# Altium PCB 2-quilter-output.pcbdoc (part 11 of 17) (continued)
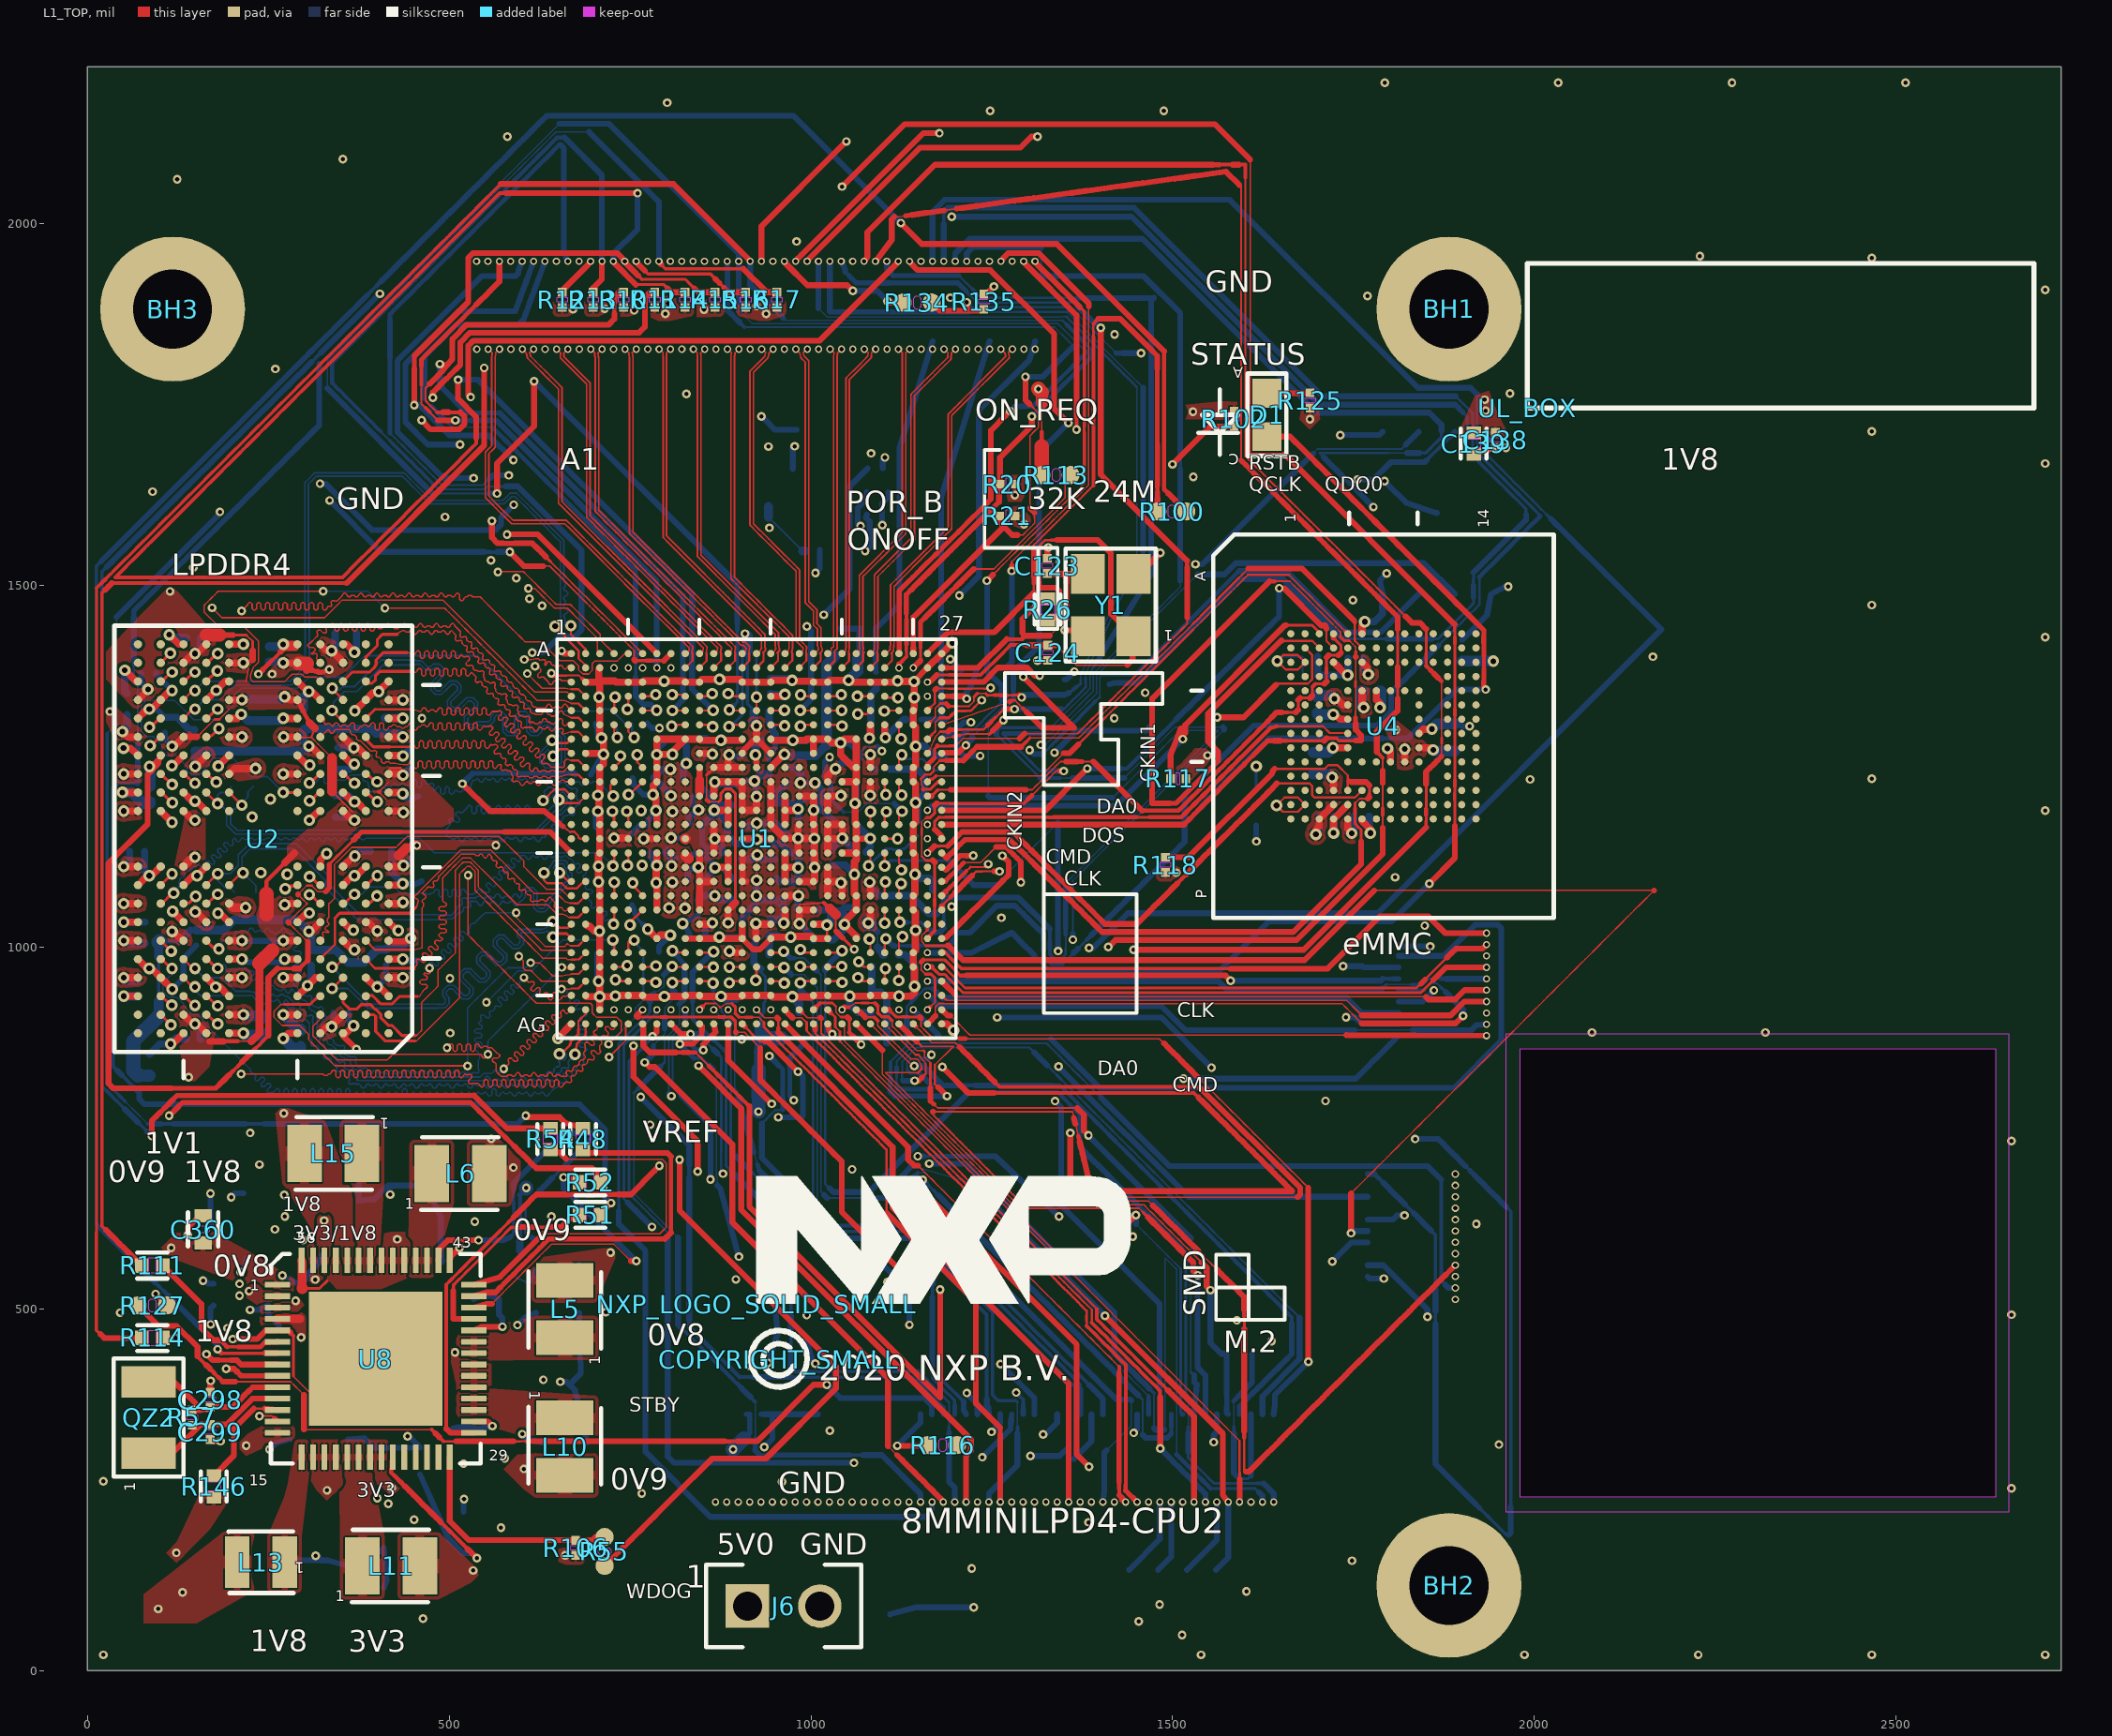
[diagram p0: L1_TOP view]
## Nets (pads, with @x,y where several pads share a name; then routed paths per layer and width w, separated by ;. In a path a pad name is that pad's centre, name@x,y a point inside that pad or via, vN(x,y) a via of type N, cw(c..) or ccw(c..) an arc to the next point about the centre after c; other vN are vias at no path point) (continued)
  L3_INNER1 w8.05: v1(237.82,352.18) 842.92,352.18 851.89,361.16 ; 905.2,887.15 905.2,908.66 v3(905.21,913.68) ; 917.67,874.67 923.91,868.43 930.15,862.19 936.39,855.95 v1(942.63,849.72) ; 924.7,708.16 932.85,708.16 v1(984.96,656.05)
  L8_BOT w2.79: 944.6,768.79 950.8,774.99 956.05,774.99 961.07,774.99
  L8_BOT w3.37: 932.21,756.4 938.41,762.59 944.6,768.79
  L8_BOT w6.29: 955.08,837.26 961.31,831.03 961.31,823.03 961.31,815.02 961.31,807.02 961.31,799.01 961.31,791.01 ; 961.07,774.99 961.31,775.22 961.31,783
  L8_BOT w6.88: 961.31,783 961.31,791.01
  L8_BOT w8.05: 932.21,756.4 932.21,708.8 v1(984.96,656.05) ; v1(942.63,849.72) 948.86,843.49 955.08,837.26
PMIC_ON_REQ: J4.48 R51.1 U1.A24 | length 3868.4
  L1_TOP w6.88: 1122,1415.64 1122,1424.16 1122,1432.67 1122,1441.19 1122,1449.71 1122,1458.23 1122,1466.75 1122,1475.26 1122,1483.78 1122,1492.3 1128.35,1498.64 1134.69,1504.98 1141.03,1511.33 1147.37,1517.67 1153.71,1524.01 1160.05,1530.35 1166.4,1536.69 1172.74,1543.03 1179.08,1549.37 1185.42,1555.72 1191.76,1562.06 1198.1,1568.4 1204.44,1574.74 1210.79,1581.08 1217.13,1587.42 1223.47,1593.76 1229.81,1600.11 1236.15,1606.45 1242.49,1612.79
  L1_TOP w7.46: U1.A24@1122,1407.12 1122,1415.64 ; 1242.49,1612.79 1248.83,1619.13
  L1_TOP w8.05: R51.1@709.76,630 709.76,632.27 v1(724,646.51) ; U1.A24@1121.74,1405.81 U1.A24@1122,1407.12 ; 1248.83,1619.13 1248.83,1714.34 1269.14,1734.65 v1(1275.5,1741.01)
  L8_BOT w2: 64.46,1364.81 69.86,1359.4 ; 320.75,1806.2 327.02,1812.47 333.28,1818.73 339.53,1824.99 345.79,1831.25 352.05,1837.5 358.31,1843.76 364.57,1850.02 370.82,1856.28 377.08,1862.54 383.34,1868.79 389.6,1875.05 395.85,1881.31 402.11,1887.57 408.37,1893.82 414.63,1900.08 420.88,1906.34 427.14,1912.6 433.4,1918.86 439.66,1925.11 445.92,1931.37 452.17,1937.63 458.43,1943.89 464.69,1950.14 470.95,1956.4 477.2,1962.66 483.46,1968.92 489.72,1975.17 495.98,1981.43 502.24,1987.69 508.49,1993.95 514.75,2000.21 521.01,2006.46 527.27,2012.72 533.52,2018.98 539.78,2025.24 546.04,2031.49 552.3,2037.75 558.56,2044.01 564.81,2050.27 571.07,2056.53 577.33,2062.78 583.59,2069.04 589.84,2075.3 596.1,2081.56 602.36,2087.81 608.62,2094.07 614.88,2100.33 621.13,2106.59 627.39,2112.85 633.65,2119.1 639.91,2125.36 646.16,2131.62 652.42,2137.88 ; 900.19,1880.5 905.43,1875.26 910.67,1870.02 915.91,1864.78 919.16,1861.54 928.15,1861.54 937.13,1861.54 946.12,1861.54 955.11,1861.54 964.1,1861.54 973.09,1861.54 982.08,1861.54 991.07,1861.54 1000.06,1861.54 1009.04,1861.54 1018.03,1861.54 1027.02,1861.54 1036.01,1861.54 1045,1861.54 1053.99,1861.54 1062.98,1861.54 1071.97,1861.54 1080.95,1861.54 1089.94,1861.54 1098.93,1861.54 1107.92,1861.54 1116.91,1861.54 1125.9,1861.54 1134.89,1861.54 1143.88,1861.54 1152.86,1861.54 1161.85,1861.54 1170.84,1861.54 1179.83,1861.54 1188.82,1861.54 1197.81,1861.54 1206.8,1861.54 1215.79,1861.54 1224.77,1861.54 1233.76,1861.54 1242.75,1861.54 1251.74,1861.54 1260.73,1861.54 1269.72,1861.54 1278.71,1861.54 1287.7,1861.54 1296.68,1861.54 1305.67,1861.54 1314.66,1861.54 1323.65,1861.54 1332.64,1861.54 1341.63,1861.54 1347.26,1855.9 1352.9,1850.27 1358.53,1844.63 1364.16,1839 1369.8,1833.36 1375.43,1827.73 1379.25,1823.91
  L8_BOT w2.2: 69.86,1288.49 69.86,1297.36 69.86,1306.22 69.86,1315.08 69.86,1323.95 69.86,1332.81 69.86,1341.67 ; 69.86,1350.54 69.86,1359.4
  L8_BOT w2.79: 64.46,1364.81 64.46,1373.16 64.46,1381.51 64.46,1389.87
  L8_BOT w3.96: 42.66,1226.45 49.46,1226.45 56.26,1226.45
  L8_BOT w4.54: 56.26,1226.45 63.06,1226.45 69.17,1226.45 ; 69.86,1341.67 69.86,1350.54
  L8_BOT w5.13: 41.57,829.51 35.53,835.55 35.53,844.48 35.53,853.4 35.53,862.33 35.53,871.25 35.53,880.18 35.53,889.1 35.53,898.02 35.53,906.95 35.53,915.87 35.53,924.8 35.53,933.72 35.53,942.65 35.53,951.57 35.53,960.5 35.53,969.42 35.53,978.35 35.53,987.27 35.53,996.2 35.53,1005.12 35.53,1014.05 35.53,1022.97 35.53,1031.9 35.53,1040.82 35.53,1049.74 35.53,1058.67 35.53,1067.59 35.53,1076.52 35.53,1085.44 35.53,1094.37 35.53,1103.29 35.53,1112.22 35.53,1121.14 35.53,1130.07 35.53,1138.99 35.53,1147.92 35.53,1156.84 35.53,1165.77 35.53,1174.69 35.53,1183.62 35.53,1192.54 35.53,1201.46 35.53,1210.39 35.53,1219.31 39.09,1222.88 42.66,1226.45 ; 47.61,823.47 53.65,817.43 59.69,811.39 65.73,805.35
  L8_BOT w5.71: 1306.27,1747.29 1312.5,1753.52 1318.73,1759.75 1324.97,1765.99 1331.2,1772.22 1337.43,1778.45 1343.67,1784.69 1349.9,1790.92 1356.13,1797.15 1362.37,1803.39 1368.6,1809.62 1374.83,1815.85 1379.25,1820.27 1379.25,1823.91
  L8_BOT w6.29: 64.46,1389.87 64.46,1398.22 ; 1298.1,1747.29 1306.27,1747.29
  L8_BOT w7.46: 64.46,1456.69 64.46,1465.05 70.71,1471.3 76.96,1477.55 83.21,1483.8 89.46,1490.05 95.71,1496.3 101.96,1502.56 108.22,1508.81 114.47,1515.06 120.72,1521.31 126.97,1527.56 133.22,1533.81 139.47,1540.06 145.72,1546.31 151.98,1552.57 158.23,1558.82 164.48,1565.07 170.73,1571.32 176.98,1577.57 183.23,1583.82 189.48,1590.07 195.73,1596.33
  L8_BOT w8.05: 41.57,829.51 47.61,823.47 ; 64.46,1398.22 64.46,1406.57 64.46,1414.93 64.46,1423.28 64.46,1431.63 64.46,1439.99 64.46,1448.34 64.46,1456.69 ; 65.73,805.35 71.77,799.31 71.77,790.74 79.57,782.94 680.55,782.94 715.75,747.74 715.75,654.76 v1(724,646.51) ; 69.17,1226.45 69.86,1227.14 69.86,1235.31 69.86,1244.18 69.86,1253.04 69.86,1261.9 69.86,1270.77 69.86,1279.63 69.86,1288.49 ; 195.73,1596.33 201.99,1602.58 208.24,1608.83 214.49,1615.08 220.74,1621.33 226.99,1627.58 233.24,1633.83 239.49,1640.08 245.75,1646.34 252,1652.59 258.25,1658.84 264.5,1665.09 270.75,1671.34 277,1677.59 283.25,1683.84 289.5,1690.1 295.76,1696.35 302.01,1702.6 308.26,1708.85 314.51,1715.1 320.75,1721.34 320.75,1806.2 ; 652.42,2137.88 721.17,2137.88 900.26,1958.78 v3(900.27,1947.75) 900.18,1880.51 ; v1(1275.5,1741.01) 1281.77,1747.28 ; 1281.78,1747.29 1289.94,1747.29 1298.1,1747.29
PMIC_STBY_REQ: R52.1 U1.E24 | length 4023.9
  L1_TOP w3: v2(1101.58,1326.51) 1102.13,1327.06 U1.E24@1121.74,1327.06
  L1_TOP w6.88: 126.32,780.24 131.36,785.28 140.21,785.28 149.07,785.28 157.92,785.28 166.78,785.28 175.63,785.28 184.49,785.28 193.34,785.28 202.2,785.28 211.05,785.28 219.91,785.28 228.76,785.28 237.62,785.28 246.47,785.28 255.33,785.28 264.18,785.28 273.04,785.28 281.89,785.28 290.75,785.28 299.6,785.28 308.46,785.28 317.31,785.28 326.17,785.28 335.02,785.28 343.88,785.28 352.73,785.28 361.58,785.28 370.44,785.28 379.29,785.28 388.15,785.28 397,785.28 405.86,785.28 414.71,785.28 423.57,785.28 432.42,785.28 441.28,785.28 450.13,785.28 458.99,785.28 467.84,785.28 476.7,785.28 485.55,785.28 494.41,785.28 503.26,785.28 512.12,785.28 520.97,785.28 529.83,785.28 535.87,779.23 541.92,773.18 547.97,767.14 554.01,761.09 560.06,755.04 566.11,748.99 572.15,742.95 578.2,736.9 584.25,730.85 590.3,724.81
  L1_TOP w8.05: v1(113.26,767.18) 121.28,775.2 126.32,780.24 ; 590.3,724.81 596.34,718.76 602.39,712.71 608.44,706.67 614.48,700.62 620.51,694.6 697.53,694.6 711.47,680.66 R52.1@709.76,675
  L3_INNER1 w2: 11.67,868.77 11.67,877.78 11.67,886.79 11.67,895.8 11.67,904.81 11.67,913.82 11.67,922.83 11.67,931.84 11.67,940.84 11.67,949.85 11.67,958.86 11.67,967.87 11.67,976.88 11.67,985.89 11.67,994.9 11.67,1003.91 11.67,1012.92 11.67,1021.93 11.67,1030.94 11.67,1039.95 11.67,1048.96 11.67,1057.97 11.67,1066.98 11.67,1075.99 11.67,1085 11.67,1094.01 11.67,1103.01 11.67,1112.02 11.67,1121.03 11.67,1130.04 11.67,1139.05 11.67,1148.06 11.67,1157.07 11.67,1166.08 11.67,1175.09 11.67,1184.1 11.67,1193.11 11.67,1202.12 11.67,1211.13 11.67,1220.14 11.67,1229.15 11.67,1238.16 11.67,1247.17 11.67,1256.17 11.67,1265.18 11.67,1274.19 11.67,1283.2 11.67,1292.21 11.67,1301.22 11.67,1310.23 11.67,1319.24 11.67,1328.25 11.67,1337.26 11.67,1346.27 11.67,1355.28 11.67,1364.29 11.67,1373.3 11.67,1382.31 11.67,1391.32 11.67,1400.33 11.67,1409.34 11.67,1418.34 11.67,1427.35 11.67,1436.36 11.67,1445.37 11.67,1454.38 11.67,1463.39 11.67,1472.4 11.67,1481.41 11.67,1490.42 11.67,1499.43 11.67,1508.44 11.67,1517.45 11.67,1526.46 11.67,1535.47 11.67,1544.48 11.67,1553.49 11.67,1562.5 11.67,1571.51 11.67,1580.51 11.67,1589.52 11.67,1598.53 11.67,1607.54 11.67,1616.55 11.67,1625.56 11.67,1634.57 11.67,1643.58 11.67,1652.59 11.67,1661.6 11.67,1670.61 11.67,1679.62 11.67,1688.63 11.67,1697.64 11.67,1706.65 11.67,1715.66 11.67,1724.67 11.67,1733.68 11.67,1742.68 11.67,1751.69 11.67,1760.7 11.67,1769.71 11.67,1778.72 11.67,1787.73 11.67,1796.74 11.67,1805.75 11.67,1814.76 11.67,1823.77 11.67,1832.78 11.67,1841.79 11.67,1850.8 11.67,1859.81 11.67,1868.82 11.67,1877.83 11.67,1886.84 11.67,1895.84 11.67,1904.85 11.67,1913.86 11.67,1922.87
  L3_INNER1 w2.2: 11.67,868.77 17.93,862.5 ; 11.67,1922.87 17.84,1929.05 24.01,1935.22 30.18,1941.39 36.35,1947.56 42.52,1953.73 48.7,1959.9 54.87,1966.08 61.04,1972.25 67.21,1978.42 73.38,1984.59 79.56,1990.76
  L3_INNER1 w3.96: 941.24,2071 950.22,2071 959.2,2071 968.18,2071 ; 1201.72,2071 1210.7,2071 1216.78,2064.92 1222.86,2058.84 1228.94,2052.76 1235.02,2046.68 1241.09,2040.6 1247.17,2034.52 1253.25,2028.44 1259.33,2022.36 1265.41,2016.29 1271.49,2010.21 1277.57,2004.13 1283.65,1998.05 1289.73,1991.97 1295.8,1985.89 1301.88,1979.81 1307.96,1973.73 1314.04,1967.65 1320.12,1961.57 1326.2,1955.5 1332.28,1949.42 1332.28,1940.52 1332.28,1931.62 1332.28,1922.72 1332.28,1913.82 1332.28,1904.92 1332.28,1896.02 1332.28,1887.12 1332.28,1878.22 1332.28,1869.32 1332.28,1860.42 1332.28,1851.53 1332.28,1842.63 1332.28,1833.73 1332.28,1824.83 1332.28,1815.93 1332.28,1807.03 1332.28,1798.13 1332.28,1789.23 1332.28,1780.33 1332.28,1771.43 1332.28,1762.53 1332.28,1753.64 1332.28,1744.74 1332.28,1735.84 1332.28,1726.94 1332.28,1718.04 1332.28,1709.14 1332.28,1700.24 1332.28,1691.34 1332.28,1682.44 1332.28,1673.54
  L3_INNER1 w5.13: v2@1106.71,1331.63 1106.71,1340.6 1106.71,1349.57 1106.71,1358.54 1106.71,1367.51 1106.71,1376.48 1106.71,1385.45 1106.71,1394.42 1106.71,1403.39 1106.71,1412.36 1112.98,1418.63 ; 1282.16,1587.81 1288.42,1594.08 1294.69,1600.34
  L3_INNER1 w7.46: 968.18,2071 977.17,2071 986.15,2071 995.13,2071 1004.11,2071 1013.09,2071 1022.08,2071 1031.06,2071 1040.04,2071 1049.02,2071 1058.01,2071 1066.99,2071 1075.97,2071 1084.95,2071 1093.93,2071 1102.92,2071 1111.9,2071 1120.88,2071 1129.86,2071 1138.84,2071 1147.83,2071 1156.81,2071 1165.79,2071 1174.77,2071 1183.75,2071 1192.74,2071 1201.72,2071
  L3_INNER1 w8.05: 17.93,862.5 24.2,856.23 30.47,849.96 36.74,843.69 43.01,837.42 49.28,831.15 55.55,824.88 61.82,818.61 68.09,812.34 74.36,806.07 80.63,799.8 86.9,793.53 93.17,787.26 99.44,780.99 105.71,774.72 v1(113.26,767.18) ; 79.56,1990.76 85.73,1996.94 91.9,2003.11 98.07,2009.28 104.24,2015.45 110.42,2021.62 116.59,2027.8 122.76,2033.97 128.93,2040.14 135.1,2046.31 141.28,2052.48 147.45,2058.66 153.62,2064.83 159.79,2071 164.29,2071 168.78,2071 177.76,2071 186.75,2071 195.73,2071 204.71,2071 213.69,2071 222.68,2071 231.66,2071 240.64,2071 249.62,2071 258.6,2071 267.59,2071 276.57,2071 285.55,2071 294.53,2071 303.51,2071 312.5,2071 321.48,2071 330.46,2071 339.44,2071 348.42,2071 357.41,2071 366.39,2071 375.37,2071 384.35,2071 393.33,2071 402.32,2071 411.3,2071 420.28,2071 429.26,2071 438.24,2071 447.23,2071 456.21,2071 465.19,2071 474.17,2071 483.15,2071 492.14,2071 501.12,2071 510.1,2071 519.08,2071 528.06,2071 537.05,2071 546.03,2071 555.01,2071 563.99,2071 572.97,2071 581.96,2071 590.94,2071 599.92,2071 608.9,2071 617.88,2071 626.87,2071 635.85,2071 644.83,2071 653.81,2071 662.8,2071 671.78,2071 680.76,2071 689.74,2071 698.72,2071 707.71,2071 716.69,2071 725.67,2071 734.65,2071 743.63,2071 752.62,2071 761.6,2071 770.58,2071 779.56,2071 788.54,2071 797.53,2071 806.51,2071 815.49,2071 824.47,2071 833.45,2071 842.44,2071 851.42,2071 860.4,2071 869.38,2071 878.36,2071 887.35,2071 896.33,2071 905.31,2071 914.29,2071 923.27,2071 932.26,2071 941.24,2071 ; v2(1101.58,1326.51) v2@1106.71,1331.63 ; 1112.98,1418.63 1119.24,1424.9 1125.51,1431.16 1131.77,1437.43 1138.04,1443.69 1144.31,1449.96 1150.57,1456.23 1156.84,1462.49 1163.1,1468.76 1169.37,1475.02 1175.64,1481.29 1181.9,1487.56 1188.17,1493.82 1194.43,1500.09 1200.7,1506.35 1206.96,1512.62 1213.23,1518.88 1219.5,1525.15 1225.76,1531.42 1232.03,1537.68 1238.29,1543.95 1244.56,1550.21 1250.83,1556.48 1257.09,1562.75 1263.36,1569.01 1269.62,1575.28 1275.89,1581.54 1282.16,1587.81 ; 1294.69,1600.34 1300.95,1606.61 1307.22,1612.87 1313.48,1619.14 1319.75,1625.4 1326.02,1631.67 1332.28,1637.94 1332.28,1646.85 1332.28,1655.74 1332.28,1664.64 1332.28,1673.54
POR_B: J4.50 R20.2 R114.2 U1.B24 | length 3363
  L1_TOP w3.96: 12.83,605.68 12.83,614.68 12.83,623.67 12.83,632.67 12.83,641.66 12.83,650.66 12.83,659.65 12.83,668.65 12.83,677.64 12.83,686.64 12.83,695.63 12.83,704.63 12.83,713.63 12.83,722.62 12.83,731.62 12.83,740.61 12.83,749.61 12.83,758.6 12.83,767.6 12.83,776.59 12.83,785.59 12.83,794.58 12.83,803.58 12.83,812.57 12.83,821.57 12.83,830.56 12.83,839.56 12.83,848.55 12.83,857.55 12.83,866.54 12.83,875.54 12.83,884.54 12.83,893.53 12.83,902.53 12.83,911.52 12.83,920.52 12.83,929.51 12.83,938.51 12.83,947.5 12.83,956.5 12.83,965.49 12.83,974.49 12.83,983.48 12.83,992.48 12.83,1001.47 12.83,1010.47 12.83,1019.46 12.83,1028.46 12.83,1037.46 12.83,1046.45 12.83,1055.45 12.83,1064.44 12.83,1073.44 12.83,1082.43 12.83,1091.43 12.83,1100.42 12.83,1109.42 12.83,1118.41 12.83,1127.41 12.83,1136.4 12.83,1145.4 12.83,1154.39 12.83,1163.39 12.83,1172.38 12.83,1181.38 12.83,1190.38 12.83,1199.37 12.83,1208.37 12.83,1217.36 12.83,1226.36 12.83,1235.35 12.83,1244.35 12.83,1253.34 12.83,1262.34 12.83,1271.33 12.83,1280.33 12.83,1289.32 12.83,1298.32 12.83,1307.31 12.83,1316.31 12.83,1325.3 12.83,1334.3 12.83,1343.3 12.83,1352.29 12.83,1361.29 12.83,1370.28 12.83,1379.28 12.83,1388.27 12.83,1397.27 12.83,1406.26 12.83,1415.26 12.83,1424.25 12.83,1433.25 12.83,1442.24 12.83,1451.24 12.83,1460.23 12.83,1469.23 12.83,1478.22 12.83,1487.22 12.83,1496.21 ; 1131.9,1401.32 1131.9,1409.92
  L1_TOP w4.54: 12.83,605.68 12.83,596.69 12.83,587.69 12.83,578.7 12.83,569.7 12.83,560.71 12.83,551.71 12.83,542.71 12.83,533.72 12.83,524.72 12.83,515.73 12.83,506.73 12.83,497.74 12.83,488.74 12.83,479.75 12.83,470.75 18.21,465.37 ; 12.83,1496.21 19.18,1502.56 ; 31.87,1515.25 38.22,1521.6 44.57,1527.95 50.91,1534.29 57.26,1540.64 63.6,1546.98 69.95,1553.33 76.3,1559.68 82.64,1566.02 88.99,1572.37 95.33,1578.72 101.68,1585.06 108.03,1591.41 114.37,1597.75 120.72,1604.1 127.07,1610.45 133.41,1616.79 139.76,1623.14 146.1,1629.48 152.45,1635.83 158.8,1642.18 165.14,1648.52 171.49,1654.87 177.84,1661.22 184.18,1667.56 190.53,1673.91 196.87,1680.25 203.22,1686.6 209.57,1692.95 215.91,1699.29 222.26,1705.64 228.6,1711.98 234.95,1718.33 241.3,1724.68 247.64,1731.02 253.99,1737.37 260.34,1743.72 266.68,1750.06 273.03,1756.41 279.37,1762.75 285.72,1769.1 292.07,1775.45 298.41,1781.79 304.76,1788.14 311.1,1794.48 317.45,1800.83 323.8,1807.18 330.14,1813.52 336.49,1819.87 342.84,1826.22 349.18,1832.56 355.53,1838.91 361.87,1845.25 368.22,1851.6 374.57,1857.95 380.91,1864.29 387.26,1870.64 393.61,1876.99 399.95,1883.33 406.3,1889.68 412.64,1896.02 418.99,1902.37 425.34,1908.72 431.68,1915.06 438.03,1921.41 444.37,1927.75 450.72,1934.1 457.07,1940.45 463.41,1946.79 469.76,1953.14 476.11,1959.49 482.45,1965.83 488.8,1972.18 495.14,1978.52 501.49,1984.87 507.84,1991.22 514.18,1997.56 520.53,2003.91 526.87,2010.26 533.22,2016.6 539.57,2022.95 545.91,2029.29 552.26,2035.64 558.61,2041.99 564.95,2048.33 571.3,2054.68 ; 1131.9,1409.92 1131.9,1418.53
  L1_TOP w5.13: 25.53,1508.91 31.87,1515.25 ; 1126.82,1396.23 1131.9,1401.32 ; 1131.9,1452.95 1131.9,1461.55
  L1_TOP w5.71: 19.18,1502.56 25.53,1508.91 ; 1121.73,1391.15 1126.82,1396.23
  L1_TOP w6.29: 1131.9,1418.53 1131.9,1427.13 1131.9,1435.74 1131.9,1444.34 1131.9,1452.95
  L1_TOP w6.88: 1131.9,1461.55 1131.9,1470.16 1131.9,1478.76 1131.9,1487.37 1138.07,1493.53 ; 1249.04,1604.5 1255.2,1610.67 1260,1615.47
  L1_TOP w7.46: 1242.87,1598.34 1249.04,1604.5
  L1_TOP w8.05: 18.21,465.37 23.58,460 R114.2@75.24,460 ; 571.3,2054.68 810.09,2054.68 912.97,1951.79 v3(916.02,1947.75) ; v3(1121.74,1386.12) 1121.73,1391.14 ; 1138.07,1493.53 1144.23,1499.7 1150.4,1505.86 1156.56,1512.03 1162.73,1518.19 1168.89,1524.36 1175.06,1530.52 1181.22,1536.69 1187.39,1542.85 1193.55,1549.02 1199.72,1555.18 1205.88,1561.35 1212.05,1567.51 1218.21,1573.68 1224.38,1579.84 1230.54,1586.01 1236.71,1592.17 1242.87,1598.34 ; 1260,1615.47 1260,1638.53 R20.2@1261.38,1639.9 ; R20.2@1261.38,1639.9 1261.38,1676.78 1305.4,1720.8 1305.4,1722.72 v1(1305.4,1733.65)
  L8_BOT w2: 961.89,1869.39 965.11,1866.17 974,1866.17 982.9,1866.17 991.8,1866.17 1000.69,1866.17 1009.59,1866.17 1018.49,1866.17 1027.39,1866.17 1036.28,1866.17 1045.18,1866.17 1054.08,1866.17 1062.98,1866.17 1071.87,1866.17 1080.77,1866.17 1089.67,1866.17 1098.56,1866.17 1107.46,1866.17 1116.36,1866.17 1125.26,1866.17 1134.15,1866.17 1143.05,1866.17 1151.95,1866.17 1160.85,1866.17 1169.74,1866.17 1178.64,1866.17 1187.54,1866.17 1196.43,1866.17 1205.33,1866.17 1214.23,1866.17 1223.13,1866.17 1232.02,1866.17 1240.92,1866.17 1249.82,1866.17 1258.71,1866.17 1267.61,1866.17 1276.51,1866.17 1285.41,1866.17 1294.3,1866.17 1303.2,1866.17 1312.1,1866.17 1321,1866.17 1329.89,1866.17 1338.79,1866.17 1347.69,1866.17
  L8_BOT w3.37: 1347.69,1866.17 1353.33,1860.53 ; 1381.52,1832.34 1387.16,1826.7
  L8_BOT w4.54: 1387.16,1826.7 1387.99,1825.87
  L8_BOT w5.71: v1(1305.4,1733.65) 1311.64,1739.9 1317.89,1746.14 ; 1353.33,1860.53 1358.96,1854.9 1364.6,1849.26 1370.24,1843.62 1375.88,1837.98 1381.52,1832.34 ; 1387.99,1816.24 1387.99,1821.06 1387.99,1825.87
  L8_BOT w6.29: 1317.89,1746.14 1324.13,1752.39 1330.37,1758.63 1336.61,1764.87 1342.86,1771.11 1349.1,1777.36 1355.34,1783.6 1361.58,1789.84 1367.83,1796.08 1374.07,1802.33 1380.31,1808.57 1386.55,1814.81 1387.99,1816.24
  L8_BOT w8.05: v3(916.02,1947.75) 916.02,1915.25 961.88,1869.39
QSPIA_DATA0: U1.P23 U5.5 | length 1120.9
  L1_TOP w3: U1.P23@1102.05,1149.9 v2(1119.9,1149.9)
  L3_INNER1 w2.79: v2@1124.38,1145.43 1128.85,1140.95 1136.79,1140.95 1144.72,1140.95 1152.66,1140.95 1160.6,1140.95 1168.6,1140.95
  L3_INNER1 w8.05: v2(1119.9,1149.9) v2@1124.38,1145.43 ; 1168.6,1140.95 1176.61,1140.95 1184.61,1140.95 1192.61,1140.95 1200.61,1140.95 1208.62,1140.95 1216.62,1140.95 1224.62,1140.95 ; 1224.63,1140.95 1243.07,1159.38 1460.47,1159.38 1685.2,1384.11 1685.2,1549.6 1767.87,1632.27 1767.87,1651.54 1731.48,1687.93 1731.48,1696.87 v1(1731.48,1707.77)
  L8_BOT w8.05: v1(1731.48,1707.77) 1742,1707.77 1785.56,1707.77 U5.5@1790,1712.2
QSPIA_DATA1: U1.K24 U5.2 | length 955.7
  L1_TOP w3: U1.K24@1121.74,1228.64 1121.74,1213.9 v2(1125.48,1210.16)
  L3_INNER1 w8.05: v2(1125.48,1210.16) 1129.72,1214.4 1262.09,1214.4 1307.92,1260.23 ; 1307.93,1260.23 1315.19,1267.49 1315.19,1277.2 v1(1317.74,1279.75)
  L8_BOT w2: 1323.99,1279.76 1329.91,1285.68 1335.83,1291.6 1341.75,1297.52 1347.67,1303.44 1353.59,1309.36 1359.51,1315.28 1365.43,1321.2 1371.35,1327.12 1377.27,1333.04 1383.19,1338.96 1389.12,1344.88 1395.04,1350.81 1395.04,1358.44 1395.04,1366.07 1395.04,1373.71 ; 1395.05,1373.73 1395.05,1376.1 1401.29,1382.33 1407.52,1388.57 1413.76,1394.8 1419.99,1401.04 1426.23,1407.27 1432.46,1413.51 1438.7,1419.74 1444.93,1425.98 1451.17,1432.21 1457.4,1438.44 1463.64,1444.68 1469.87,1450.91 1476.11,1457.15 1482.34,1463.38 1488.58,1469.62 1494.81,1475.85 1501.04,1482.09 1507.28,1488.32 1513.51,1494.56 1518.83,1499.87 1524.15,1505.19 1529.46,1510.51 1534.12,1515.16
  L8_BOT w3.37: v1@1320.69,1279.76 1323.99,1279.76
  L8_BOT w8.05: v1(1317.74,1279.75) v1@1320.68,1279.75 ; 1534.12,1515.16 1571.4,1515.16 1587.08,1530.84 1661.05,1530.84 1846.96,1530.84 U5.2@1890,1487.8
QSPIA_DATA2: U1.K23 U5.3 | length 960.3
  L1_TOP w3: U1.K23@1102.05,1228.64 1102.05,1212.48 v2(1103.67,1210.86)
  L3_INNER1 w8.05: v2@1103.68,1210.85 1109.37,1216.56 1118.28,1225.46 1244.53,1225.46 1291.57,1272.5 ; 1291.58,1272.5 v1(1302.42,1272.5)
  L8_BOT w2: 1399.39,1346.11 1399.39,1352.93 1399.39,1359.75 1399.39,1366.56 1399.39,1373.38 1401.21,1375.7 1408.94,1375.7 1416.67,1375.7 1424.4,1375.7 1432.13,1375.7 1439.86,1375.7 1447.59,1375.7
  L8_BOT w3.37: 1320.2,1266.93 1326.29,1273.02 1332.38,1279.11 ; 1393.29,1340.02 1399.39,1346.11
  L8_BOT w4.54: 1332.38,1279.11 1338.48,1285.2
  L8_BOT w5.13: 1338.48,1285.2 1344.57,1291.29 1350.66,1297.38 1356.75,1303.47 1362.84,1309.56 1368.93,1315.65 1375.02,1321.75 1381.11,1327.84 1387.2,1333.93 1393.29,1340.02
  L8_BOT w6.29: 1447.59,1375.7 1453.85,1381.96 1460.12,1388.22 1466.38,1394.49 1472.65,1400.75 1478.91,1407.02 1485.17,1413.28 1491.44,1419.55 1497.7,1425.81 1503.97,1432.07 1510.23,1438.34 1516.49,1444.6 1522.76,1450.87 1529.02,1457.13 1535.29,1463.39 1541.55,1469.66 1547.82,1475.92 1554.08,1482.19 1560.34,1488.45 1566.61,1494.72 1572.87,1500.98 1579.14,1507.24 1585.4,1513.51 1591.66,1519.77
  L8_BOT w8.05: v1(1302.42,1272.5) 1308.01,1266.92 1314.1,1266.92 1320.2,1266.92 ; 1591.66,1519.77 1656.93,1519.77 1741.53,1435.17 1787.38,1435.17 U5.3@1840,1487.8
QSPIA_DATA3: U1.N23 U5.7 | length 1034.5
  L1_TOP w3: U1.N23@1102.05,1169.58 1102.05,1185.11 v2(1104.24,1187.3)
  L3_INNER1 w2.79: 1150.83,1171.98 1154.65,1175.79 1158.46,1179.61
  L3_INNER1 w3.96: 1158.46,1179.61 1167.46,1179.61 1176.45,1179.61
  L3_INNER1 w5.13: 1114.46,1177.08 1119.57,1171.97 1127.38,1171.97 ; 1143,1171.97 1150.81,1171.97
  L3_INNER1 w5.71: 1127.38,1171.97 1135.19,1171.97 ; 1176.45,1179.61 1185.45,1179.61 1194.44,1179.61 1203.44,1179.61 1212.43,1179.61 1221.43,1179.61 1230.42,1179.61 1239.42,1179.61 1248.41,1179.61 1257.41,1179.61 1266.4,1179.61 1272.71,1185.92 ; 1405.15,1318.37 1411.46,1324.67 1417.77,1330.98
  L3_INNER1 w8.05: v2(1104.24,1187.3) 1109.34,1182.19 1114.46,1177.08 ; 1135.19,1171.97 1143,1171.97 ; 1272.71,1185.92 1279.02,1192.23 1285.32,1198.53 1291.63,1204.84 1297.94,1211.15 1304.24,1217.45 1310.55,1223.76 1316.86,1230.07 1323.16,1236.38 1329.47,1242.68 1335.78,1248.99 1342.09,1255.3 1348.39,1261.6 1354.7,1267.91 1361.01,1274.22 1367.31,1280.52 1373.62,1286.83 1379.93,1293.14 1386.23,1299.45 1392.54,1305.75 1398.85,1312.06 1405.15,1318.37 ; 1417.77,1330.98 1424.08,1337.29 1430.38,1343.59 1436.69,1349.9 1443,1356.21 1449.3,1362.52 1455.61,1368.82 1461.92,1375.13 1468.22,1381.44 1474.53,1387.74 1480.84,1394.05 1487.15,1400.36 1493.45,1406.66 1499.76,1412.97 1506.07,1419.28 1512.37,1425.59 1518.68,1431.89 1524.99,1438.2 1531.29,1444.51 1537.6,1450.81 1543.91,1457.12 1550.22,1463.43 1556.52,1469.73 1562.83,1476.04 1569.14,1482.35 1575.44,1488.66 1581.75,1494.96 1588.06,1501.27 1594.36,1507.58 1600.67,1513.88 1606.98,1520.19 1613.29,1526.5 1619.59,1532.8 1625.9,1539.11 1632.21,1545.42 1638.51,1551.73 1644.82,1558.03 1651.13,1564.34 1657.43,1570.65 1663.74,1576.95 1670.05,1583.26 1676.36,1589.57 1682.66,1595.87 1688.97,1602.18 1695.28,1608.49 1701.58,1614.8 1707.89,1621.1 1714.2,1627.41 1720.5,1633.72 1726.81,1640.02 1733.12,1646.33 1743.72,1646.33 v1(1755.3,1646.33)
  L8_BOT w5.13: 1850.92,1673.13 1856.5,1678.71 1862.08,1684.29 1867.66,1689.87 1873.24,1695.45 U5.7@1878.82,1701.03
  L8_BOT w5.71: U5.7@1878.82,1701.03 U5.7@1884.41,1706.62
  L8_BOT w8.05: v1(1755.3,1646.33) 1764.42,1646.33 1777.17,1646.33 1801.18,1670.34 1848.12,1670.34 1850.92,1673.13 ; U5.7@1884.41,1706.62 U5.7@1890,1712.2
QSPIA_NSS0: R37.2 U1.N24 U5.1 | length 1535.2
  L1_TOP w3: U1.N24@1121.74,1169.58 1121.74,1183.63 v2(1125.97,1187.86)
  L3_INNER1 w2.2: 1202.97,1295.45 1210.59,1295.45 ; 1218.21,1295.45 1225.83,1295.45 1232.06,1301.68 1238.3,1307.92 1244.53,1314.15 1250.76,1320.38 1257,1326.62 1263.23,1332.85 1269.46,1339.08 1275.7,1345.31 1281.93,1351.55 1288.16,1357.78
  L3_INNER1 w3.37: 1210.59,1295.45 1218.21,1295.45
  L3_INNER1 w4.54: 1078.75,1245.85 1087.04,1245.85 1095.33,1245.85 1103.62,1245.85 1111.91,1245.85 1120.2,1245.85 1128.49,1245.85 1136.78,1245.85 1145.07,1245.85 1153.36,1245.85 1159.56,1252.05 1165.77,1258.25 1171.97,1264.45 1178.17,1270.65 1184.37,1276.85 1190.57,1283.05 1196.77,1289.25 1202.97,1295.45 ; 1722.86,1718.58 1730.65,1718.58 1738.43,1718.58
  L3_INNER1 w5.13: 1684.54,1718.58 1691.72,1718.58 1699.5,1718.58
  L3_INNER1 w7.46: 1677.37,1718.58 1684.54,1718.58
  L3_INNER1 w8.05: v1@1025.88,1262.55 1038.78,1262.55 1055.49,1245.84 1078.74,1245.84 ; 1288.16,1357.79 1289.53,1359.16 1317.95,1359.16 1677.37,1718.58 ; 1699.5,1718.58 1707.29,1718.58 1715.07,1718.58 1722.86,1718.58 ; 1738.43,1718.58 1958.58,1498.44 v1(1963.65,1498.44)
  L8_BOT w2: 1065.48,1186.71 1071.41,1192.64 1077.34,1198.57 1084.92,1198.57 1092.5,1198.57 1100.08,1198.57 1107.66,1198.57 1115.25,1198.57
  L8_BOT w2.2: 1045.23,1186.71 1051.98,1186.71 1058.73,1186.71 1065.48,1186.71
  L8_BOT w5.13: 1027.19,1204.75 1033.2,1198.74 ; 1039.22,1192.72 1045.23,1186.71
  L8_BOT w5.71: 1033.2,1198.74 1039.22,1192.72
  L8_BOT w7.46: 1027.19,1204.75 1027.19,1211.72 1027.19,1218.7 1027.19,1225.67
  L8_BOT w8.05: v1(1025.87,1262.55) 1019.39,1256.06 1019.39,1233.48 1027.19,1225.67 ; 1115.25,1198.57 v2(1125.97,1187.86) ; R37.2@1900,1424.76 1934.24,1459.01 U5.1@1940,1487.8 1959.16,1498.43 v1(1963.65,1498.44)
QSPIA_SCLK: U1.N22 U5.6 | length 1043
  L1_TOP w3: U1.N22@1082.37,1169.58 v2(1082.37,1187.47)
  L3_INNER1 w2: 1062.13,1213.57 1066.98,1208.72 1071.82,1203.88 1076.67,1199.03 1076.67,1193.15 ; 1207.5,1288.46 1214.02,1288.46 1220.55,1288.46 1227.07,1288.46
  L3_INNER1 w2.2: 1256.52,1318.03 1262.41,1323.91
  L3_INNER1 w2.79: 1227.09,1288.59 1232.97,1294.48 1238.86,1300.36 1244.75,1306.25 1250.64,1312.14 1256.52,1318.03 ; 1262.41,1323.91 1271.04,1323.91
  L3_INNER1 w3.96: 1271.04,1323.91 1276.35,1318.61
  L3_INNER1 w5.13: 1276.35,1318.61 1278.45,1316.51
  L3_INNER1 w5.71: 1155.57,1236.53 1161.34,1242.3 1167.11,1248.07 1172.88,1253.84 1178.65,1259.61 1184.42,1265.38 1190.19,1271.15 1195.96,1276.92 1201.73,1282.69 1207.5,1288.46 ; 1227.09,1288.47 1227.09,1288.59
  L3_INNER1 w8.05: 1062.13,1213.57 1085.09,1236.53 1155.57,1236.53 ; 1076.67,1193.15 v2(1082.37,1187.47) ; 1278.45,1316.51 1318.8,1316.51 1525.5,1523.21 v1(1531.6,1529.31)
  L8_BOT w2.2: 1693.87,1682.19 1700.24,1688.56 1709.17,1688.56 1718.1,1688.56 1727.04,1688.56 1735.97,1688.56 1744.9,1688.56 1753.83,1688.56 1762.76,1688.56 1771.69,1688.56 1780.63,1688.56 1789.56,1688.56 1798.49,1688.56 1807.42,1688.56
  L8_BOT w2.79: 1807.42,1688.56 1816.35,1688.56 1822.26,1694.47
  L8_BOT w8.05: v1(1531.6,1529.31) 1540.86,1529.31 1540.99,1529.31 1547.36,1535.68 1553.73,1542.05 1560.1,1548.42 1566.47,1554.79 1572.84,1561.16 1579.21,1567.53 1585.58,1573.9 1591.95,1580.27 1598.32,1586.64 1604.69,1593.01 1611.06,1599.38 1617.43,1605.75 1623.8,1612.12 1630.17,1618.49 1636.54,1624.86 1642.91,1631.23 1649.28,1637.6 1655.65,1643.97 1662.02,1650.34 1668.39,1656.71 1674.76,1663.08 1681.13,1669.45 1687.5,1675.82 1693.87,1682.19 ; 1822.26,1694.47 1828.17,1700.38 1834.08,1706.29 U5.6@1840,1712.2
R_SNSP1: R142.2 R143.1 U8.38 | length 117
  L1_TOP w8.05: U8.38@534.52,470.6 545.24,475.51 563.92,475.52 v1(573.79,475.52)
  L8_BOT w8.05: R143.1@534,514 544.3,517.97 559.05,517.97 R142.2@569,513.48 569.02,492.4 573.79,487.62 v1(573.79,475.52)
R_SNSP2: R140.2 R141.1 U8.44 | length 537
  L1_TOP w3.96: 506.08,595.13 513.82,595.13 521.56,595.13
  L1_TOP w8.05: U8.44@485.3,567.06 487.23,584.03 498.33,595.13 506.08,595.13 ; 521.56,595.13 529.31,595.13 v1(540.81,595.13)
  L8_BOT w3.37: 589.41,612.92 589.41,621.69 589.41,630.46 589.41,639.23 ; 589.41,648.01 589.41,656.78 589.41,665.55 ; 605.78,611.88 605.78,619.98 605.78,628.07 605.78,636.16
  L8_BOT w3.96: 605.78,611.88 605.78,604.99 608.8,601.97 R141.1@612.9,599.51 ; 605.78,636.16 605.78,644.26 611.96,650.44 618.14,656.62 624.32,662.8 ; 649.05,687.52 655.23,693.71
  L8_BOT w4.54: 642.87,681.34 649.05,687.52
  L8_BOT w5.13: R140.2@584.65,599.59 589.41,604.34 589.41,612.92 ; 589.41,639.23 589.41,648.01
  L8_BOT w6.88: 655.23,693.71 661.41,699.89
  L8_BOT w8.05: v1(540.81,595.13) 540.92,595.24 R140.2@575,595.24 R140.2@584.65,599.59 ; 589.41,665.55 589.41,674.32 658.25,743.16 704.67,743.16 ; R141.1@612.9,599.51 R141.1@620,595.24 ; 624.32,662.8 630.5,668.98 636.68,675.16 642.87,681.34 ; 661.41,699.89 667.59,706.07 673.77,712.25 679.95,718.43 686.13,724.61 692.32,730.79 698.5,736.97 704.68,743.16
R_SNSP3_CFG: R144.2 R145.1 U8.30 | length 84.5
  L1_TOP w8.05: U8.30@534.52,344.62 553.61,344.63 v1(560.03,338.21)
  L8_BOT w8.05: R145.1@505,334.76 511.62,336.75 530,336.75 R144.2@540,334.76 550,336.75 558.57,336.75 v1(560.03,338.21)
REF_CLK_32K: R116.1 U1.AG14